# Altium PCB PCB1.PcbDoc (continued)
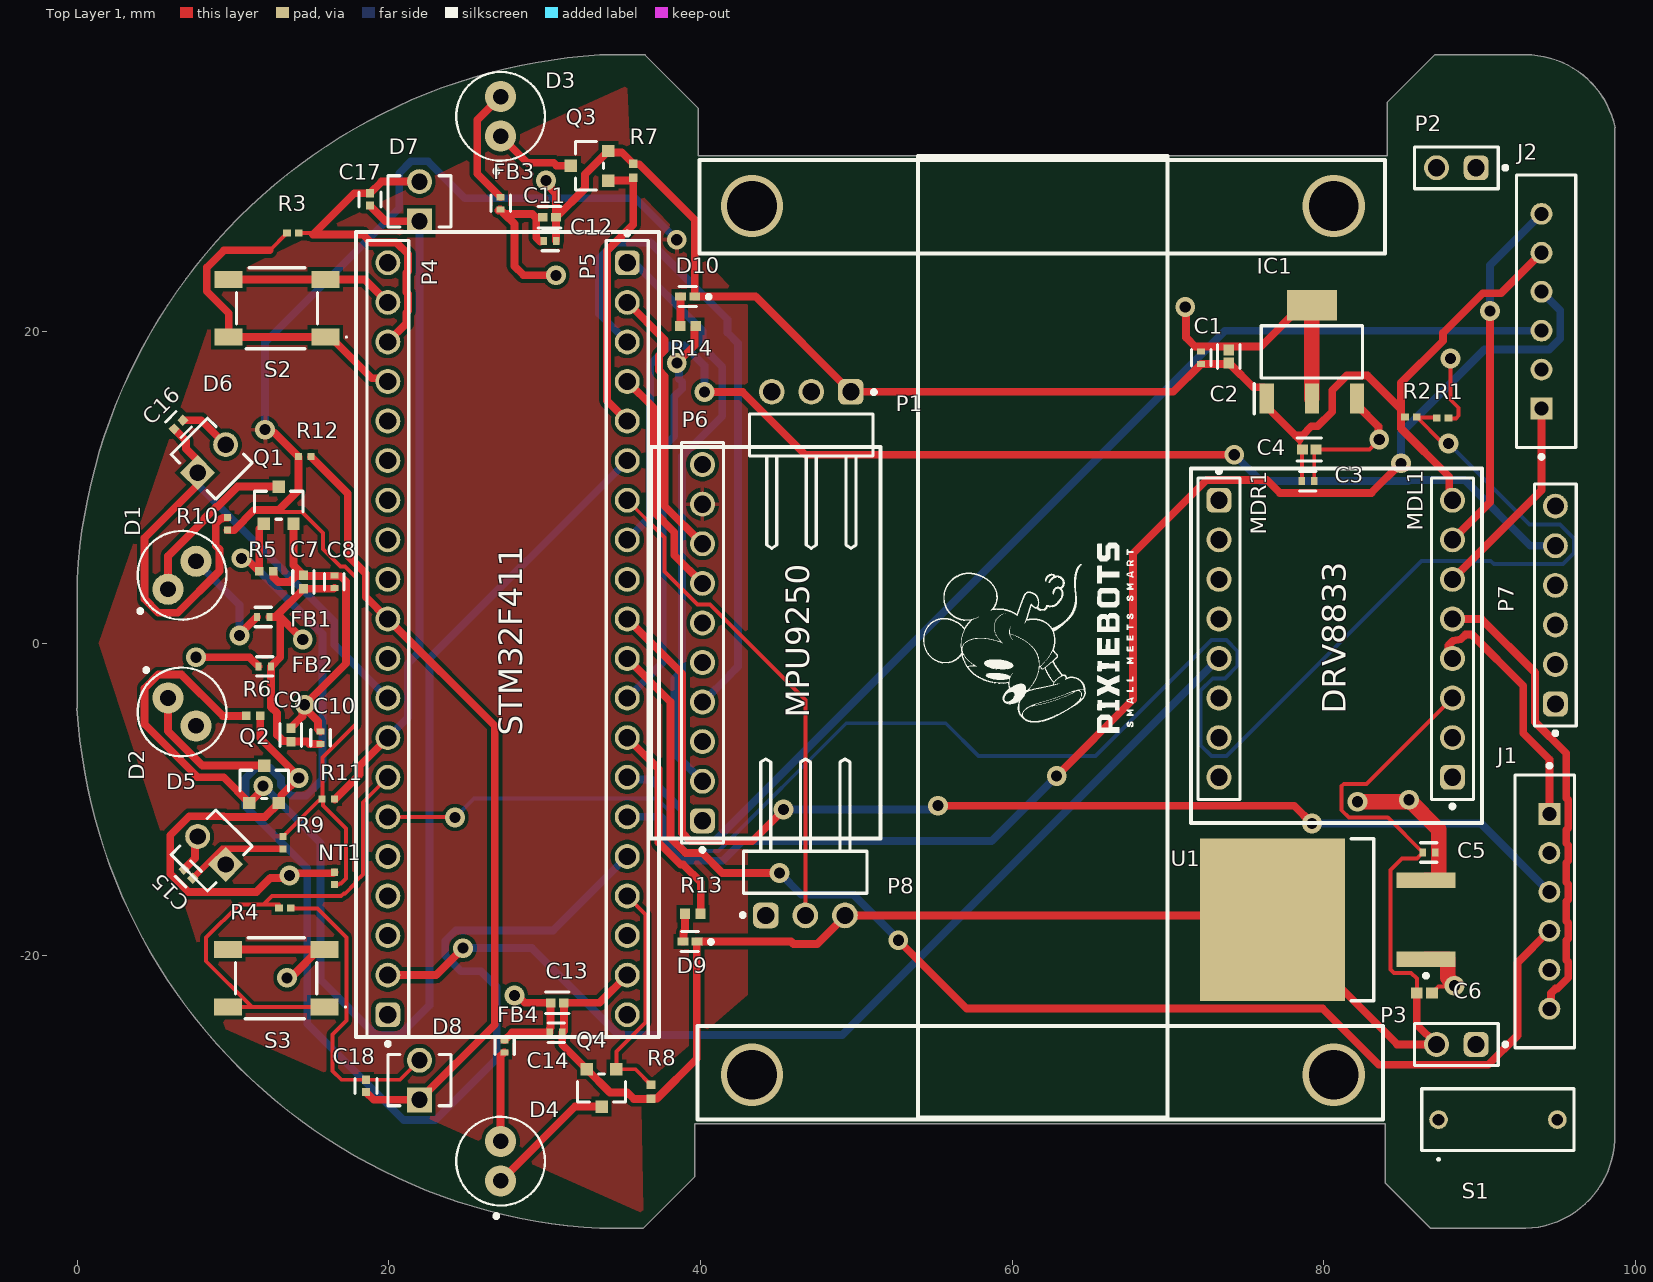
[diagram p0: Top Layer 1 view]
## Footprints (in the part's own frame and the unit in brackets; to place one, negate y for a bottom-side part, rotate by r counter-clockwise, add the part's x,y. Pads: shape width x height; smd on the part's side, far side on the other; paste and mask are expansions set on the pad)
2061S [mm]
  round 1.2 hole 0.75: 1(0,0) 2(0,-7.62)
  silkscreen extent -2.6,-8.7 1.98,1.08, body extent -1.98,-8.7 1.98,1.08, height 8.99
61300211121 [mm] "Pin Header, pitch 2.54 mm, THT, Vertical, single row, 2p"
  rrect50% 1.6x1.6 hole 1.1: 1(-1.27,0)
  round 1.6 hole 1.1: 2(1.27,0)
  silkscreen extent -3.26,-1.34 2.69,1.34, body extent -2.54,-1.27 2.54,1.27, height 8.57
61300311021 [mm] "Pin Header, pitch 2.54 mm, THT, Angled, single row, 3p"
  rrect50% 1.65x1.65 hole 1.1: 1(2.54,2.77)
  round 1.65 hole 1.1: 2(0,2.77) 3(-2.54,2.77)
  silkscreen extent -3.96,-7.27 4.15,2.87, body extent -3.81,-7.27 3.81,3.09, height 2.58
61300611121 [mm] "Pin Header, pitch 2.54 mm, THT, Vertical, single row, 6p"
  rrect50% 1.6x1.6 hole 1.1: 1(-6.35,0)
  round 1.6 hole 1.1: 2(-3.81,0) 3(-1.27,0) 4(1.27,0) 5(3.81,0) 6(6.35,0)
  silkscreen extent -8.34,-1.34 7.77,1.34, body extent -7.62,-1.27 7.62,1.27, height 8.57
61300811121 [mm] "Pin Header, pitch 2.54 mm, THT, Vertical, single row, 8p"
  rrect50% 1.6x1.6 hole 1.1: 1(-8.89,0)
  round 1.6 hole 1.1: 2(-6.35,0) 3(-3.81,0) 4(-1.27,0) 5(1.27,0) 6(3.81,0) 7(6.35,0) 8(8.89,0)
  silkscreen extent -10.88,-1.34 10.31,1.34, body extent -10.16,-1.27 10.16,1.27, height 8.57
61301011121 [mm] "Pin Header, pitch 2.54 mm, THT, Vertical, single row, 10p"
  rrect50% 1.6x1.6 hole 1.1: 1(-11.43,0)
  round 1.6 hole 1.1: 2(-8.89,0) 3(-6.35,0) 4(-3.81,0) 5(-1.27,0) 6(1.27,0) 7(3.81,0) 8(6.35,0) 9(8.89,0) 10(11.43,0)
  silkscreen extent -13.42,-1.34 12.85,1.34, body extent -12.7,-1.27 12.7,1.27, height 8.57
61302011121 [mm] "Pin Header, pitch 2.54 mm, THT, Vertical, single row, 20p"
  rrect50% 1.6x1.6 hole 1.1: 1(-24.13,0)
  round 1.6 hole 1.1: 2(-21.59,0) 3(-19.05,0) 4(-16.51,0) 5(-13.97,0) 6(-11.43,0) 7(-8.89,0) 8(-6.35,0) 9(-3.81,0) 10(-1.27,0) 11(1.27,0) 12(3.81,0) 13(6.35,0) 14(8.89,0) 15(11.43,0) 16(13.97,0) 17(16.51,0) 18(19.05,0) 19(21.59,0) 20(24.13,0)
  silkscreen extent -26.12,-1.34 25.55,1.34, body extent -25.4,-1.27 25.4,1.27, height 8.57
CAPC1005X55X25ML05T10 [mm] "Chip Capacitor, 2-Leads, Body 1.00x0.50mm, IPC Low Density"
  rect 0.76x0.72 smd: 1(-0.49,0) 2(0.49,0)
  body extent -0.53,-0.28 0.53,0.27, height 0.55
COM08720 [mm]
  rect 1.8x1.1 smd: 1(-3.1,1.85) 2(3.1,1.85) 3(-3.1,-1.85) 4(3.1,-1.85)
  silkscreen extent -4.5,-2.6 2.6,2.6, body extent -3.2,-2.6 3.2,2.6, height 1.6
FP-6_544-5269_01-4-MFG [mm]
  rect 1.6x1.6 hole 1.05 paste-2539.97 mask+0: 1(-1.27,0)
  round 1.6 hole 1.05 paste-2539.97 mask+0: 2(1.27,0)
  silkscreen extent -1.65,-2.03 1.65,2.03, body extent -2.17,-2.12 2.17,2.12, height 0.25
FP-APHHS1005CGCK-MFG [mm]
  rect 0.7x0.5 smd paste+0 mask+0: 1(-0.45,0) 2(0.45,0)
  silkscreen extent -1.48,-0.63 0.55,0.65, body extent -0.9,-0.4 0.9,0.4, height 0.25
FP-B6B-EH-A_LF_SN-MFG [mm]
  rect 1.4x1.4 hole 0.9 paste-2539.97 mask+0: 1(-6.25,0.3)
  round 1.4 hole 0.9 paste-2539.97 mask+0: 2(-3.75,0.3) 3(-1.25,0.3) 4(1.25,0.3) 5(3.75,0.3) 6(6.25,0.3)
  silkscreen extent -9.47,-1.9 8.75,1.9, body extent -8.85,-2 8.85,2, height 0.25
FP-BLM15-0_05-MFG [mm]
  rect 0.4x0.5 smd paste+0 mask+0: 1(-0.4,0) 2(0.4,0)
  silkscreen extent -0.53,-0.62 0.53,0.62, body extent -0.7,-0.38 0.7,0.38, height 0.25
FP-C0402C225M9PACTU-MFG [mm]
  rect 0.52x0.52 smd paste+0 mask+0: 1(-0.4,0) 2(0.4,0)
  silkscreen extent -0.48,-0.7 0.48,0.7, body extent -0.8,-0.4 0.8,0.4, height 0.25
FP-GRM15-MFG [mm]
  rect 0.4x0.5 smd paste+0 mask+0: 1(-0.4,0) 2(0.4,0)
  silkscreen extent -0.53,-0.62 0.53,0.62, body extent -0.7,-0.38 0.7,0.38, height 0.25
FP-GRM155-0_1-IPC_B [mm]
  rect 0.615x0.572 smd paste+0 mask+0: 1(-0.429,0) 2(0.429,0)
  silkscreen extent -0.74,-0.69 0.74,0.69, body extent -0.89,-0.44 0.89,0.44, height 0.25
FP-GRM155-0_15-IPC_B [mm]
  rect 0.704x0.658 smd paste+0 mask+0: 1(-0.427,0) 2(0.427,0)
  silkscreen extent -0.78,-0.73 0.78,0.73, body extent -0.93,-0.48 0.93,0.48, height 0.25
FP-SFH_4556-MFG [mm]
  round 2 hole 1 paste-2539.97 mask+0: 1(-1.27,0) 2(1.27,0)
  silkscreen extent -3.65,-2.85 2.85,2.85, body extent -2.95,-2.95 2.95,2.95, height 0.25
FP-SOT23-MFG [mm]
  rect 0.8x0.8 smd paste+0 mask+0: 1(-1.2,0.95) 2(-1.2,-0.95) 3(1.2,0)
  silkscreen extent -0.9,-1.55 0.9,1.55, body extent -1.7,-1.78 1.7,1.78, height 0.25
RESC1005X40X25LL05T05 [mm] "Chip Resistor, 2-Leads, Body 1.00x0.50mm, IPC High Density"
  rect 0.45x0.45 smd: 1(-0.4,0) 2(0.4,0)
  body extent -0.53,-0.27 0.53,0.28, height 0.4
RESC1005X40X25LL05T10 [mm] "Chip Resistor, 2-Leads, Body 1.00x0.50mm, IPC High Density"
  rect 0.5x0.45 smd: 1(-0.375,0) 2(0.375,0)
  body extent -0.53,-0.27 0.53,0.28, height 0.4
RESC1005X40X25ML05T05 [mm] "Chip Resistor, 2-Leads, Body 1.00x0.50mm, IPC Low Density"
  rect 0.65x0.65 smd: 1(-0.5,0) 2(0.5,0)
  body extent -0.53,-0.27 0.53,0.28, height 0.4
RESC1005X40X25NL05T05 [mm] "Chip Resistor, 2-Leads, Body 1.00x0.50mm, IPC Medium Density"
  rect 0.55x0.55 smd: 1(-0.45,0) 2(0.45,0)
  body extent -0.53,-0.27 0.53,0.28, height 0.4
SOT290P700X180-4N [mm]
  rect 1.95x0.9 smd: 1(-3,2.9) 2(-3,0) 3(-3,-2.9)
  rect 1.95x3.2 smd: 4(3,0)
  silkscreen extent -3.97,-3.25 1.67,3.7, body extent -3.5,-3.25 3.5,3.25, height 1.8
TO-263_N [mm] "D2-PAK, 4-Leads, Body 9.2x10.2mm, Pitch 2.54mm, Lead Span 15.4mm, IPC Medium Density"
  rect 3.8x1 smd: 1(-6.3,2.54) 3(-6.3,-2.54)
  rect 9.3x10.4 smd: 4(3.55,0)
  silkscreen extent -6.43,-5.2 -1.5,5.2, body extent -2.95,-5.2 6.4,5.2, height 4.6

## Part data
C1 C3 C5 C8 C10 C12 C14: library part CMP-2100-03641-2, "CAP CER 0.1UF 16V X7R 0402", Capacitance=0.10μF, Manufacturer=Murata, Manufacturer Part Number=GRM155R71C104KA88D, Package=GRM15, Temperature="-55°C to +125°C", Temperature Characteristic=X7R, Temperature Range High=+125°C, Temperature Range Low=-55°C, Tolerance=10%, Voltage Rating=16Vdc, Category=Cap, ComponentLink2Description=Datasheet, ComponentLink2URL=https://search.murata.co.jp/Ceramy/image/img/A01X/G101/ENG/GRM155R71H471KA01-01A.pdf, Device Class L1="Passive Components", Device Class L2=Capacitors, Device Class L3="Ceramic Capacitors", Digikey Description="CAP CER 0.1UF 16V X7R 0402", Height=0.55mm, Ipc Land Pattern Name=CAPC10050X219, Lead Free=yes, Material=Ceramic, Mouser Description="0402 0.1 uF 16V ±10 % Tolerance X7R SMT Multilayer Ceramic Capacitor", Octopart=https://octopart.com/grm155r71c104ka88d-murata-196880, RoHS=TRUE, Standoff Height=0mm
C2 C4: library part CMP-06035-012416-1, "Chip Multilayer Ceramic Capacitors for General Purpose, 0402, 10uF, X5R, 15%, 20%, 6.3V", Case Code (Imperial)=0402, Case Code (Metric)=1005, Dielectric=X5R, Max Operating Temperature=85°C, Min Operating Temperature=-55°C, Tolerance=20%, Voltage Rating=6.3V, Capacitance=10uF, Case/Package=0402, Length=0.039inch, Mount="Surface Mount", Packaging="Tape and Reel", Thickness=0.026inch, Voltage Rating (DC)=6.3V, Width=0.02inch
C6: library part CMP-2008-03929-1, Manufacturer=Murata, Part Number=GRM155R61A334KE15D
C7 C9 C11 C13: library part CMP-2008-04549-2, "Chip Multilayer Ceramic Capacitors for General Purpose, 0402, 4.7uF, X5R, 15%, 20%, 6.3V", Case Code (Imperial)=0402, Case Code (Metric)=1005, Dielectric=X5R, Max Operating Temperature=85°C, Min Operating Temperature=-55°C, Package Quantity=10000, Tolerance=20%, Voltage=6.3V, Capacitance=4.7uF, Case/Package=0402, Contact Plating=Tin, Depth=0.5mm, Height=0.5mm, Lead Free="Lead Free", Length=1mm, Mount="Surface Mount", Packaging="Tape and Reel", REACH SVHC="No SVHC", Termination=SMD/SMT, Thickness=0.022inch, Voltage Rating=6.3V, Voltage Rating (DC)=6.3V, Weight=0.000212oz, Width=0.02inch
C15 C16 C17 C18: library part CMP-2008-02064-3, "CAP CER 2.2UF 6.3V X5R 0402", Case Code (Imperial)=0402, Case Code (Metric)=1005, Dielectric=X5R, Dielectric Material=Ceramic, Max Operating Temperature=85°C, Min Operating Temperature=-55°C, Package Quantity=1, Tolerance=20%, Voltage=6.3V, Capacitance=2.2uF, Case/Package=0402, Construction=Flat, Contact Plating=Tin, Depth=0.5mm, Dissipation Factor=5%, Height=0.5mm, Lead Free="Lead Free", Length=1mm, Mount="Surface Mount", Number of Pins=2, Packaging="Tape and Reel", Radiation Hardening=No, REACH SVHC="No SVHC", RoHS Compliant=Yes, Series=C, Termination=SMD/SMT, Thickness=0.022inch, Voltage Rating=6.3V, Voltage Rating (DC)=6.3V, Width=0.5mm
D1 D2 D3 D4: library part CMP-62016-000017-1, "EMITTER IR 860NM 100MA RADIAL", Colour=Infrared, Forward Current=100mA, Forward Voltage=1.5V, Manufacturer="Osram Opto", Manufacturer Part Number="SFH 4556", Reverse Voltage=12V, Temperature="-40°C to +100°C", Temperature Range High=+100°C, Temperature Range Low=-40°C, Automotive=No, Category=Diode, ComponentLink2Description=Datasheet, ComponentLink2URL=https://dammedia.osram.info/media/resource/hires/osram-dam-2496340/SFH%204556.pdf, Device Class L1=Optoelectronics, Device Class L2=LEDs, Device Class L3=unset, Digikey Description="EMITTER IR 860NM 100MA RADIAL", Lead Free=Yes, Led Orientation=Straight, Mouser Description="SFH 4556 Osram Opto, 860nm IR LED, 5mm (T-1 3/4) Through Hole package", Octopart=https://octopart.com/sfh+4556-osram+opto-31094094, Package="SFH 4556", Peak Emmision Wavelength=860nm, RoHS=TRUE, Viewing Angle=40°
D5 D6 D7 D8: library part CMP-00030-39729854-1, "TEFT4300 PHOTOTRANSISTOR 3.0MM WIDE VIEW / Phototransistor IR Chip Silicon 925nm 2-Pin T-1", Case/Package=T, Collector Emitter Breakdown Voltage=70V, Collector Emitter Saturation Voltage=300mV, Dark Current=200nA, Max Collector Current=50mA, Max Operating Temperature=100°C, Max Power Dissipation=100mW, Min Operating Temperature=-40°C, Collector Emitter Voltage (VCEO)=70V, Fall Time=2.3µs, Height=4.5mm, Lead Free="Lead Free", Length=3.2mm, Lens Style=Domed, Mount="Through Hole", NexarPartId=39729854, Number of Channels=1, Number of Elements=1, Number of Pins=2, Orientation="Top View", Polarity=NPN, Power Consumption=100mW, Power Dissipation=100mW, Radiation Hardening=No, REACH SVHC=Unknown, Rise Time=2µs, RoHS=Compliant, Schedule B="8541407080, 8541407080", Viewing Angle=30°, Wavelength=925nm, Width=3.9mm
D9 D10: library part CMP-44529-000044-1, "LED GREEN CLEAR CHIP SMD", Case Code (Imperial)=0402, Case Code (Metric)=1005, Color=Green, Forward Current=20mA, Forward Voltage=2.1V, Lens Color=Clear, Max Operating Temperature=85°C, Min Operating Temperature=-40°C, Package Quantity=2000, Case/Package=0402, Dominant Wavelength=570nm, Height=0.6mm, Illumination Color=Green, Lead Free="Lead Free", Length=1mm, Lens Style=Clear, Luminous Intensity=50mcd, Mount="Surface Mount", Number of LEDs=1, Number of Pins=2, Packaging="Tape and Reel", Test Current=20mA, Viewing Angle=120°, Wavelength=570nm, Width=0.5mm
FB1 FB2 FB3 FB4: library part CMP-0686-00305-4, "Chip Ferrite Bead, 0402, 10Ω @ 100MHz, 0.1Ω, 25%, 300mA", Case Code (Imperial)=0402, Case Code (Metric)=1005, Current Rating=300mA, DC Resistance (DCR)=100mR, Max Operating Temperature=125°C, Min Operating Temperature=-55°C, Package Quantity=1, Resistor Type="Ferrite Bead", Test Frequency=100MHz, Tolerance=25%, Case/Package=0402, Core Material=Ferrite, DC Resistance-Max=100mR, Depth=0.5mm, Height=0.5mm, Impedance=10R, Lead Free="Lead Free", Length=1mm, Material=Ferrite, Max Current Rating=300mA, Max DC Current=300mA, Number of Circuits=1, Number of Lines=1, Number of Pins=2, Packaging="Tape and Reel", REACH SVHC="No SVHC", Resistance=100mR, Series=BLM15B, Shielding=Unshielded, Termination=SMD/SMT, Width=0.5mm
IC1: "Integrated Circuit", Manufacturer_Name=Shikues, Datasheet Link=https://datasheet.lcsc.com/szlcsc/SK-AMS1117-5-0_C165483.pdf, Height=1.8mm, Manufacturer_Part_Number=AMS1117-5.0
J1 J2: library part CMP-17439-000293-1, "CONN HEADER VERT 6POS 2.5MM", Color=Natural, Current Rating=3A, Flammability Rating="UL94 V-0", Housing Color=White, Voltage Rating=250V, Connector Type=Header, Contact Finish - Mating=TIN, Contact Material=Brass, Contact Mating Length=0.13inch, Contact Plating=Tin, Contact Shape=Square, Contact Type="Male Pin", Fastening Type=Friction, Gender=Male, Insulation Color=Natural, Insulation Material=Nylon, Lead Free="Lead Free", Mated Stacking Heights=8.1mm, Mount="Through Hole", Number of Contacts=6, Number of Positions=6, Number of Rows=1, Orientation=Straight, Packaging=Bulk, Pitch=2.5mm, Series=EH, Termination=Solder
MDL1 MDR1: library part CMP-1502-01076-3, Color=Black, Contact Resistance=20mΩ, Current Rating=3A, Max Operating Temperature=105°C, Min Operating Temperature=-40°C, Operating Supply Voltage=250V, Connector Type="Male Pin", Contact Material=Copper, Contact Mating Length=5.9944mm, Contact Plating=Gold, Gender=Male, Height=8.54mm, Lead Pitch=2.54mm, Mount="Through Hole", NexarPartId=32855533, Number of Contacts=8, Number of Pins=8, Number of Positions=8, Number of Rows=1, Orientation=Vertical, Packaging=Bulk, Pitch=2.54mm, REACH SVHC=Unknown, RoHS=Compliant, Termination=Solder, Voltage Rating=250V
NT1 R9 R10 R11 R12: library part CMP-2002-01128-1, Manufacturer=Panasonic, Part Number=ERJ2RKF1801X
P1 P8: library part CMP-1502-01061-3, Color=Black, Contact Resistance=20mΩ, Current Rating=3A, Operating Supply Voltage=250V, Connector Type="Male Pin", Contact Material=Copper, Contact Mating Length=5.9944mm, Contact Plating=Gold, Gender=Male, Lead Pitch=2.54mm, Mount="Through Hole", NexarPartId=32855520, Number of Contacts=3, Number of Pins=3, Number of Positions=3, Number of Rows=1, Packaging=Bulk, Pitch=2.54mm, REACH SVHC=Unknown, RoHS=Compliant, Termination=Solder
P2 P3: library part CMP-1712-00002-6, Color=Black, Contact Resistance=20mΩ, Current Rating=3A, Max Operating Temperature=125°C, Min Operating Temperature=-40°C, Operating Supply Voltage=250V, Connector Type="Male Pin", Contact Gender=Male, Contact Material=Copper, Contact Mating Length=5.9944mm, Contact Plating=Gold, Gender=Male, Height=8.94mm, Housing Material=PBT, Lead Free="Lead Free", Lead Pitch=2.54mm, Mount="Through Hole", NexarPartId=20081794, Number of Contacts=2, Number of Pins=2, Number of Positions=2, Number of Rows=1, Orientation=Vertical, Packaging=Bulk, Pitch=2.54mm, REACH SVHC="No SVHC", RoHS=Compliant, Termination="Through Hole", Voltage Rating=250V
P4 P5: library part CMP-1502-01102-3, Color=Black, Contact Resistance=20mΩ, Current Rating=3A, Operating Supply Voltage=250V, Connector Type="Male Pin", Contact Material=Copper, Contact Mating Length=5.9944mm, Contact Plating=Gold, Gender=Male, Lead Pitch=2.54mm, Mount="Through Hole", NexarPartId=32855554, Number of Contacts=20, Number of Pins=20, Number of Positions=20, Number of Rows=1, Orientation=Vertical, Packaging=Bulk, Pitch=2.54mm, REACH SVHC=Unknown, RoHS=Compliant, Termination=Solder
P6: library part CMP-1502-01082-5, Color=Black, Contact Resistance=20mΩ, Current Rating=3A, Flammability Rating="UL94 V-0", Insulation Resistance=1GΩ, Max Operating Temperature=105°C, Min Operating Temperature=-40°C, Operating Supply Voltage=250V, Connector Type="Male Pin", Contact Gender=Male, Contact Material=Copper, Contact Mating Length=5.9944mm, Contact Plating=Gold, Gender=Male, Height=8.74mm, Housing Material=PBT, Lead Pitch=2.54mm, Length=2.54mm, Mount="Through Hole", NexarPartId=18818159, Number of Contacts=10, Number of Pins=10, Number of Positions=10, Number of Rows=1, Orientation=Vertical, Packaging=Bulk, Pitch=2.54mm, REACH SVHC=Unknown, RoHS=Compliant, Termination=Solder, Voltage Rating=250V, Width=25.4mm
P7: library part CMP-1502-01070-3, Color=Black, Contact Resistance=20mΩ, Current Rating=3A, Max Operating Temperature=105°C, Min Operating Temperature=-40°C, Operating Supply Voltage=250V, Connector Type="Male Pin", Contact Gender=Male, Contact Material=Copper, Contact Mating Length=5.9944mm, Contact Plating=Gold, Gender=Male, Height=8.89mm, Housing Material=PBT, Lead Free="Lead Free", Lead Pitch=2.54mm, Mount="Through Hole", NexarPartId=20084590, Number of Contacts=6, Number of Pins=6, Number of Positions=6, Number of Rows=1, Orientation=Vertical, Packaging=Bulk, Pitch=2.54mm, REACH SVHC=Unknown, RoHS=Compliant, Termination="Through Hole", Voltage Rating=250V
Q1 Q2 Q3 Q4: library part CMP-83955-000006-1, "MOSFET N-CH 30V 5.7A SOT23", Case/Package=SOT-23, Continuous Drain Current (ID)=5.7A, Drain to Source Voltage (Vdss)=30V, Gate to Source Voltage (Vgs)=12V, Input Capacitance=630pF, Max Operating Temperature=150°C, Max Power Dissipation=1.4W, Min Operating Temperature=-55°C, Lead Free="Lead Free", Mount="Surface Mount", Number of Elements=1, Number of Pins=3, Packaging="Tape and Reel", Power Dissipation=1.4W, Radiation Hardening=No, Rds On Max=26.5mR
R1: library part CMP-1011-00650-2, Manufacturer="Yageo / Phycomp", Part Number=RC0402FR-0718KL
R2 R3 R4: library part CMP-2002-07353-1, Manufacturer="Yageo / Phycomp", Part Number=RC0402FR-0710KL
R5 R6 R7 R8: library part CMP-2002-00002-1, Manufacturer="Vishay Dale", Part Number=CRCW040243K0FKED
R13 R14: library part CMP-2002-08427-1, Manufacturer="Vishay Dale", Part Number=CRCW0402270RFKED
S1: "Switch", Manufacturer_Name=CTS, Datasheet Link=https://www.ctscorp.com/wp-content/uploads/206.pdf, Height=8.89mm, Manufacturer_Part_Number=206-1S
S2 S3: library part COM-08720, "Switch", Manufacturer_Name=SparkFun, Mouser Part Number=474-COM-08720, Arrow Part Number=COM-08720, Arrow Price/Stock=https://www.arrow.com/en/products/com-08720/sparkfun-electronics?region=nac, Datasheet Link=https://eu.mouser.com/datasheet/2/813/SMD_Button-2527098.pdf, Height=1.8mm, Manufacturer_Part_Number=COM-08720, Mouser Price/Stock=https://www.mouser.co.uk/ProductDetail/SparkFun/COM-08720?qs=WyAARYrbSnaaMDwitZjU3A%3D%3D
U1: library part CMP-0244-00215-1, "Positive Voltage Regulator, 3-Pin D2PAK, Tape and Reel", ComponentLink1Description="Manufacturer URL", ComponentLink1URL=http://www.st.com, ComponentLink2Description=Datasheet, ComponentLink2URL=http://www.st.com/internet/com/TECHNICAL_RESOURCES/TECHNICAL_LITERATURE/DATASHEET/CD00000444.pdf, DatasheetVersion=16/11/2011, PackageDescription="3-Pin Transistor Outline Package 2.54 mm Pitch, 15.4 mm Lead Span (D2PAK)", PackageReference=TO-263, PackageVersion=2011

## Via types
v1: diameter 1.27, hole 0.711, Top Layer 1 to Bottom Layer 1, 34 vias
v2: diameter 4, hole 3.2, Top Layer 1 to Bottom Layer 1, 4 vias

## Nets (pads, with @x,y where several pads share a name; then routed paths per layer and width w, separated by ;. In a path a pad name is that pad's centre, name@x,y a point inside that pad or via, vN(x,y) a via of type N, cw(c..) or ccw(c..) an arc to the next point about the centre after c; other vN are vias at no path point)
3V3: C15.1 C16.1 C17.1 C18.1 D5.2 D6.2 D7.2 D8.2 J1.2 J2.2 P1.2 P4.18 P5.20 P6.10 P7.2 P8.1 R3.2 R4.2 | length 289.3
  Top Layer 1 w0.25: R4.2@13.82,-16.958 13.91,-16.958 13.97,-17.018 15.416,-17.018 17.279,-18.881 17.279,-24.21 16.383,-25.106 16.383,-27.432 16.954,-28.003 C18.1 20.72,-28.003 D8.2 ; R3.2 15.058,26.334
  Top Layer 1 w0.5: C16.1 7.961,14.327 D6.2 ; C15.1 7.565,-13.795 7.565,-12.565 D5.2 ; P4.18 21.118,20.528 21.118,21.224 21.243,21.349 21.243,22.429 21.118,22.554 21.118,23.764 21.243,23.889 21.243,24.969 20.479,25.733 18.844,25.733 18.327,26.25 15.143,26.25 17.786,28.893 C17.1 19.539,29.636 D7.2
  Top Layer w0.5: D7.2 9.534,17.199 D6.2 9.534,6.065 9.402,5.933 9.402,4.989 9.275,4.862 9.275,-5.779 7.738,-7.316 D5.2 7.738,-16.628 12.323,-21.213 12.323,-21.935 12.99,-22.602 13.712,-22.602 17.862,-26.752 D8.2 32.385,-26.752 P5.20 41.68,-17.457 42.515,-17.457 ; P8.1 42.515,-17.457 ; J1.2 96.173,-11.765 96.173,-2.656 P7.2 96.173,-0.048 96.173,15.378 J2.2 95.184,18.775 95.184,28.07 90.171,33.083 86.189,33.083 83.149,30.043 83.149,27.03 76.57,20.451 51.418,20.451 P1.2 45.788,17.479 44.027,17.479 40.132,13.585 P6.10 42.037,9.57 42.037,-16.979 42.515,-17.457
5V: C1.2 C2.1 C7.1 C8.2 C9.1 C10.2 C11.1 C12.2 C13.1 C14.2 FB1.2 FB2.2 FB3.2 FB4.2 IC1.2 IC1.4 | length 176.4
  Top Layer 1 w0.5: FB1.2 12.716,1.696 12.876,1.856 14.469,3.448 14.49,3.448 14.526,3.485 C7.1 16.46,3.506 C8.2 ; v1(14.478,0.254) 13.036,1.696 13.036,-0.889 FB2.2 12.446,-4.084 12.834,-4.471 12.834,-5.872 13.221,-6.259 13.68,-6.259 13.716,-6.296 C9.1 14.752,-6.305 14.898,-6.451 C10.2 ; FB3.2 27.1,27.839 27.05,27.79 27.201,27.79 27.432,27.559 ; FB4.2 27.915,-24.98 C14.2 30.334,-24.713 30.385,-24.663 C13.1 28.738,-23.069 28.275,-22.606 v1(28.067,-22.606) ; 29.718,25.781 29.464,26.035 29.464,27.305 29.21,27.559 27.432,27.559 ; v1(30.734,23.622) 28.653,23.622 28.067,24.208 28.067,26.924 27.432,27.559 ; v1(71.12,21.59) 71.172,21.538 71.172,19.63 71.752,19.05 75.959,19.05 78.623,21.714 IC1.4
  Top Layer 1 w1: IC1.2 IC1.4
  Top Layer w0.5: v1(28.067,-22.606) 26.543,-24.13 25.781,-24.13 24.776,-25.135 19.165,-25.135 16.895,-22.865 16.895,-2.163 v1(14.478,0.254) 14.478,20.812 19.399,25.733 23.907,25.733 26.018,23.622 v1(30.734,23.622) 30.734,23.695 32.2,25.161 32.2,26.485 33.528,27.813 39.666,27.813 42.166,25.313 67.397,25.313 v1(71.12,21.59)
6V: C5.2 MDL1.1 P1.3 U1.3 | length 70
  Top Layer 1 w1: v1(82.167,-10.16) 85.271,-10.16 85.398,-10.033 v1(85.471,-10.033) 87.376,-11.938 87.376,-15.195 U1.3
  Top Layer w1: P1.3 44.577,2.413 57.15,-10.16 v1(82.167,-10.16) ; v1(85.471,-10.033) 86.823,-10.033 MDL1.1
7V4: C3.2 C4.1 C6.2 IC1.3 S1.2 U1.1 | length 73.9
  Top Layer 1 w0.25: C3.2 79.394,12.338 C4.1 82.931,12.446 v1(83.566,13.081) v1@83.514,13.133 ; IC1.3 82.148,15.727 82.169,15.748 IC1.3@82.169,15.268 ; C6.2 87.37,-22.023 v1@88.34,-22.023
  Top Layer 1 w0.5: IC1.3@82.169,15.268 83.514,13.923 v1@83.514,13.133
  Top Layer 1 w1: U1.1 87.964,-20.275 87.964,-21.47 88.392,-21.898 v1(88.392,-21.971) v1@88.34,-22.023
  Top Layer w1: v1(83.566,13.081) 83.566,-21.801 86.276,-24.511 ; v1(88.392,-21.971) 88.34,-22.023 88.34,-23.088 87.679,-23.749 87.038,-23.749 86.276,-24.511 ; S1.2 91.556,-30.562 90.201,-31.916 86.815,-31.916 85.695,-30.796 85.695,-25.092 86.276,-24.511
A0: P4.6 R1.1 R2.2 | length 117.8
  Top Layer 1 w0.25: P4.6 19.962,-11.153 24.234,-11.153 v1(24.257,-11.176) ; R1.1@87.261,14.501 85.996,14.501 R2.2 87.669,12.827 v1(88.011,12.827)
  Bottom Layer 1 w0.25: v1(24.257,-11.176) 25.481,-9.952 37.187,-9.952 38.199,-10.964 38.199,-12.42 39.097,-13.318 41.167,-13.318 49.359,-5.126 55.745,-5.126 57.848,-7.23 65.353,-7.23 72.791,0.208 73.767,0.208 74.458,-0.482 74.458,-1.459 73.676,-2.241 72.882,-2.241 72.1,-3.022 72.1,-6.539 72.791,-7.23 73.767,-7.23 86.285,5.288 90.722,5.288 90.921,5.089 95.357,5.089 96.048,5.78 96.048,6.757 95.175,7.629 93.209,7.629 v1(88.011,12.827)
A1: P4.7 R4.1 S3.1 S3.2 | length 31.9
  Top Layer 1 w0.25: S3.2 11.212,-23.34 ; 12.956,-16.744 11.958,-16.744 ; R4.1 R4.1@12.96,-16.751 ; S3.1 15.847,-23.34 15.748,-23.241 15.649,-23.34 11.212,-23.34 ; P4.7 18.336,-10.194 18.336,-14.823 17.868,-15.292 17.868,-15.381 17.204,-16.045 17.115,-16.045 16.944,-16.216 15.232,-16.216 15.22,-16.204 12.498,-16.204 11.958,-16.744 ; 11.212,-23.34 8.271,-20.399 8.271,-18.881 10.408,-16.744 11.958,-16.744
A2: C17.2 D7.1 P4.8 R11.2 | length 43
  Top Layer 1 w0.5: R11.2 16.529,-10.014 18.129,-8.414 18.129,-7.861 P4.8 ; C17.2 19.793,27.096 D7.1
  Bottom Layer 1 w0.5: P4.8 21.243,-4.747 21.243,-1.267 21.971,-0.539 D7.1
A3: C16.2 D6.1 P4.9 R10.2 | length 42.8
  Top Layer 1 w0.5: C16.2 6.984,13 6.984,12.49 7.738,11.736 D6.1 7.738,10.18 4.329,6.771 4.329,2.851 5.21,1.97 6.456,1.97 9.133,4.647 9.133,6.043 8.898,6.278 8.898,7.674 9.218,7.994 9.292,7.994 9.363,8.065 R10.2
  Bottom Layer 1 w0.5: D6.1 7.738,10.18 16.498,1.42 16.498,-0.07 P4.9
A4: C15.2 D5.1 P4.10 R9.2 | length 28.6
  Top Layer 1 w0.4: C15.2 9.31,-13.182 R9.2
  Bottom Layer w0.5: 7.416,-15.075 7.404,-15.075 7.366,-15.113 8.609,-15.113 D5.1 12.736,-14.188 15,-11.924 15,-10.553 14.975,-10.528 14.975,-9.675 15,-9.65 15,-9.471 16.65,-7.821 16.65,-4.26 P4.10
A5: C18.2 D8.1 P4.11 R12.2 | length 51.8
  Top Layer 1 w0.5: R12.2 17.367,9.621 17.367,5.641 18.522,4.486 18.522,2.986 P4.11 26.797,-5.289 26.797,-24.466 D8.1 19.031,-29.292 C18.2
A6: MDR1.7 P4.12 | length 106.9
  Bottom Layer w0.5: P4.12 34.002,18.172 34.002,22.429 34.002,25.204 34.532,25.733 36.08,25.733 36.61,25.204 36.61,18.809 36.596,18.795 36.596,17.363 36.61,17.349 36.61,7.189 37.35,6.449 37.35,3.132 37.879,2.603 37.879,-12.276 39.045,-13.443 41.219,-13.443 41.589,-13.073 66.257,-13.073 MDR1.7
A7: MDR1.6 P4.13 | length 106.1
  Bottom Layer w0.5: P4.13 19.984,6.649 20.066,6.731 20.066,6.776 31.873,18.583 31.873,22.084 33.248,23.459 33.248,25.516 34.219,26.487 36.393,26.487 37.364,25.516 37.364,18.497 37.35,18.483 37.35,17.676 37.364,17.662 37.364,7.502 38.828,6.038 38.828,-11.093 38.828,-12.159 39.358,-12.689 40.906,-12.689 41.276,-12.319 64.471,-12.319 MDR1.6
A8: P5.5 Q3.1 R7.2 | length 18.5
  Top Layer 1 w0.5: Q3.1 35.51,29.702 R7.2 35.687,26.889 34.002,25.204 34.002,15.573 P5.5
A9: P5.6 Q2.1 R6.2 | length 84
  Top Layer 1 w0.5: R6.2 9.347,-4.654 6.691,-1.998 5.21,-1.998 4.329,-2.879 4.329,-5.191 7.734,-8.596 9.408,-8.596 Q2.1 11.791,-9.505 11.791,-9.291 v1(11.938,-9.144)
  Bottom Layer 1 w0.5: v1(11.938,-9.144) 15.625,-12.831 15.625,-21.595 19.165,-25.135 20.713,-25.135 22.606,-23.242 22.606,-0.971 P5.6
A10: P5.7 P8.2 | length 31.8
  Top Layer 1 w0.25: P5.7 37.695,6.8 37.695,4.625 39.826,2.494 40.62,2.494 46.736,-3.621 P8.2
A11: P5.8 P7.5 | length 76.8
  Top Layer 1 w0.5: v1(40.259,16.129) 42.719,16.129 46.738,12.11 v1(74.262,12.11)
  Bottom Layer 1 w0.5: P5.8 36.767,8.11 36.767,17.877 38.017,19.127 38.961,19.127 40.259,17.829 v1(40.259,16.129) ; v1(74.262,12.11) 75.955,10.418 85.435,10.418 85.51,10.493 89.036,10.493 93.261,6.268 P7.5
A12: P5.9 P7.4 | length 96.9
  Bottom Layer w0.5: P5.9 37.125,2.291 37.125,-12.589 43.322,-18.786 51.358,-18.786 56.317,-13.827 69.887,-13.827 78.806,-4.908 78.806,1.574 87.725,10.493 88.805,10.493 91.732,7.567 91.732,6.865 P7.4
A15: J1.3 P5.10 | length 74.3
  Top Layer 1 w0.5: P5.10 38.828,-1.953 38.828,-12.159 39.358,-12.689 43.318,-12.689 v1(45.339,-10.668) ; v1(55.245,-10.414) 78.105,-10.414 v1(79.248,-11.557)
  Bottom Layer 1 w0.5: v1(45.339,-10.668) 54.783,-10.668 55.037,-10.414 v1(55.245,-10.414) ; v1(79.248,-11.557) 90.095,-11.557 J1.3
ADO: P5.3 P6.4 | length 42.6
  Bottom Layer 1 w0.5: P5.3 33.498,21.157 33.498,24.7 34.532,25.733 36.793,25.733 41.747,20.78 41.747,19.935 42.414,19.268 42.414,-1.483 41.94,-1.957 41.94,-1.974 40.149,-3.765 P6.4
AGND: NT1.2 P6.9 R9.1 R10.1 R11.1 R12.1 | length 101.6
  Top Layer 1 w0.25: v1(12.065,13.716) 12.26,13.521 v1@12.667,13.521 ; 12.953,8.444 14.443,8.444 15.791,7.096 15.791,6.061 16.913,4.939 17.179,4.939 17.893,4.225 17.893,-5.165 15.748,-7.31 15.748,-9.906 15.729,-9.925 R11.1 ; R9.1 R11.1@15.602,-9.988 ; R11.1@15.775,-10.034 15.775,-10.397 17.264,-11.886 17.264,-15.096 16.944,-15.416 16.854,-15.416 16.783,-15.487 NT1.2
  Top Layer 1 w0.5: R10.1 10.073,7.265 11.377,8.569 12.953,8.569 14.205,9.821 R12.1 v1@12.667,13.521
  Bottom Layer w0.5: v1(38.481,25.908) 39.628,24.761 39.628,17.109 38.828,16.309 38.828,10.239 P6.9
  Bottom Layer 1 w0.5: v1(12.065,13.716) 12.065,19.326 20.667,27.928 20.667,30.176 21.431,30.94 22.511,30.94 24.876,28.575 35.814,28.575 v1(38.481,25.908)
B0: MDR1.4 P4.14 | length 73.8
  Bottom Layer w0.5: P4.14 31.119,20.369 31.119,22.396 31.873,23.15 31.873,25.207 33.907,27.241 39.525,27.241 41.957,24.809 43.024,24.809 50.354,17.479 57.369,17.479 MDR1.4
B1: MDR1.3 P4.15 | length 71.6
  Bottom Layer w0.5: P4.15 26.605,18.395 26.605,21.104 33.496,27.995 39.838,27.995 42.27,25.563 51.825,25.563 MDR1.3
B3: J1.4 P5.11 | length 81.4
  Top Layer 1 w0.5: P5.11 38.074,-3.739 38.074,-12.472 39.045,-13.443 40.112,-13.443 41.401,-14.732 v1(45.085,-14.732) ; v1(52.705,-19.05) 57.094,-23.439 79.939,-23.439 83.54,-27.04 90.563,-27.04 92.44,-25.164 92.44,-20.498 J1.4
  Bottom Layer 1 w0.5: v1(45.085,-14.732) 46.481,-16.128 49.826,-16.128 52.705,-19.006 v1(52.705,-19.05)
B4: P5.12 R14.2 | length 26
  Top Layer 1 w0.5: v1(38.489,17.988) 39.629,19.128 39.629,20.29 R14.2
  Bottom Layer 1 w0.5: P5.12 37.57,-1.247 37.57,12.536 38.322,13.289 38.322,15.843 38.832,16.353 38.832,16.768 38.636,16.964 38.636,17.841 v1(38.489,17.988)
B5: P5.13 R13.2 | length 13.4
  Top Layer 1 w0.5: P5.13 37.32,-8.065 37.32,-12.784 38.733,-14.197 38.901,-14.197 40.018,-15.314 R13.2
B6: J2.3 P5.14 | length 74.8
  Bottom Layer 1 w0.5: P5.14 35.447,-8.732 36.856,-8.732 38.828,-10.704 38.828,-12.159 39.358,-12.689 40.906,-12.689 73.666,20.071 J2.3
B7: J2.4 P5.15 | length 86.6
  Top Layer 1 w0.5: v1(62.865,-8.509) 67.758,-3.616 67.758,5.747 72.505,10.493 76.353,10.493 77.186,9.66 83.066,9.66 v1(84.963,11.557)
  Bottom Layer 1 w0.5: P5.15 37.476,-11.131 37.57,-11.225 37.57,-12.68 38.836,-13.947 41.428,-13.947 42.686,-12.689 58.685,-12.689 v1(62.865,-8.509) ; v1(84.963,11.557) 84.963,13.502 90.328,18.867 94.479,18.867 95.184,19.573 95.184,21.367 J2.4
B8: P5.16 Q1.1 R5.2 | length 85.2
  Top Layer 1 w0.5: v1(10.541,5.461) 10.688,5.314 10.988,5.314 R5.2 11.684,7.363 Q1.1
  Bottom Layer 1 w0.5: v1(10.541,5.461) 10.688,5.314 11.029,5.314 15.744,0.599 15.744,-8.727 14.696,-9.775 13.752,-9.775 13.081,-9.104 13.081,-8.676 12.41,-8.005 11.466,-8.005 10.799,-8.672 10.799,-10.458 14.771,-14.431 14.771,-24.405 20.962,-30.596 22.98,-30.596 26.928,-26.648 26.928,-22.049 25.919,-21.039 24.635,-21.039 23.626,-20.03 23.626,-19.086 24.293,-18.419 30.558,-18.419 P5.16
B9: P5.17 Q4.1 R8.2 | length 15
  Top Layer 1 w0.25: P5.17 36.485,-17.39 36.485,-24.319 34.605,-26.199 Q4.1 35.826,-27.33 R8.2
B10: P4.17 R3.1 S2.1 S2.2 | length 22.6
  Top Layer 1 w0.25: 12.359,25.226 R3.1
  Top Layer 1 w0.5: S2.2@9.652,19.685 S2.2@9.679,19.658 ; 12.359,25.226 9.432,25.226 8.323,24.117 8.323,22.599 9.727,21.195 S2.2 S2.2@9.679,19.658 ; P4.17 19.729,17.02 18.916,17.02 16.277,19.658 S2.1 S2.2@9.679,19.658
B12: P5.1 P6.2 | length 38
  Bottom Layer 1 w0.5: P5.1@35.537,24.661 40.132,20.066 40.132,19.023 41.398,17.757 41.398,14.585 38.828,12.015 38.828,-1.768 38.324,-2.272 38.324,-7.037 P6.2
B13: P5.2 P6.8 | length 17.8
  Top Layer 1 w0.5: P5.2 37.719,19.476 37.719,18.829 37.35,18.46 37.35,17.517 37.719,17.148 37.719,8.808 P6.8
B15: P5.4 P6.7 | length 15
  Top Layer 1 w0.5: P5.4 36.965,15.15 36.965,8.496 38.324,7.137 38.324,5.663 P6.7
C13: MDR1.5 P4.2 | length 66.4
  Top Layer 1 w0.5: P4.2 23.032,-21.291 v1(24.765,-19.558)
  Bottom Layer 1 w0.5: v1(24.765,-19.558) 29.189,-19.558 34.766,-25.135 49.098,-25.135 73.262,-0.971 MDR1.5
GND: C1.1 C2.2 C3.1 C4.2 C5.1 C6.1 C7.2 C8.1 C9.2 C10.1 C11.2 C12.1 C13.2 C14.1 D9.1 D10.1 IC1.1 J1.5 J2.5 MDL1.3 MDL1.8 MDR1.1 NT1.1 P1.1 P3.2 P4.19 P5.19 P7.3 P8.3 Q1.2 Q2.2 Q3.2 Q4.2 R2.1 R5.1 R6.1 R7.1 R8.1 S2.3 S2.4 S3.3 S3.4 U1.4 | length 379.6
  Top Layer 1 w0.25: MDR1.1@73.279,9.144 MDR1.1 ; C4.2@78.465,12.652 78.465,13.072 ; C3.1 78.621,10.441 78.621,12.419 C4.2 ; C6.1 85.979,-21.517 85.616,-21.154 84.507,-21.154 84.285,-20.932 84.285,-14.538 85.025,-13.798 85.979,-13.798 C5.1 84.117,-11.174 81.622,-11.174 81.153,-10.705 81.153,-9.163 81.299,-9.017 82.759,-9.017 MDL1.3
  Top Layer 1 w0.5: S3.4 S3.3@15.525,-19.64 ; S2.4 S2.3 18.453,23.358 19.922,21.889 P4.19 ; R6.1 11.753,-6.078 14.224,-8.549 v1(14.224,-8.636) 13.104,-9.756 13.104,-10.092 13.036,-10.16 12.954,-10.16 Q2.2 12.05,-11.146 9.459,-11.146 9.401,-11.088 7.198,-11.088 5.979,-12.307 5.979,-14.792 7.134,-15.947 11.509,-15.947 12.406,-15.05 13.485,-15.05 v1(13.632,-14.902) ; R5.1 12.609,4.592 12.609,4.231 12.902,3.938 13.651,3.938 14.031,4.318 16.645,4.318 16.652,4.31 16.919,4.31 17.264,3.965 17.264,-1.278 v1(14.605,-3.937) ; v1(13.462,-21.463) 13.609,-21.316 13.849,-21.316 S3.3@15.525,-19.64 ; v1@13.632,-14.687 13.703,-14.758 16.439,-14.758 NT1.1 ; C9.2 13.716,-5.426 14.458,-4.685 14.458,-4.084 v1(14.605,-3.937) ; Q1.2 13.886,5.025 14.526,4.385 C7.2 ; C10.1 15.459,-5.489 15.459,-5 14.605,-4.145 v1(14.605,-3.937) ; S3.3 S3.3@15.525,-19.64 ; v1(30.099,29.714) 30.099,29.506 30.734,28.871 C11.2 30.734,25.845 C12.1 ; C11.2@30.755,27.35 32.597,29.192 32.597,30.106 Q3.2 34.184,31.511 34.955,31.511 R7.1 35.712,30.754 36.075,30.754 39.635,27.194 D10.1 43.537,22.27 P1.1 70.353,16.15 C1.1 73.991,17.933 75.485,16.439 76.148,16.439 76.348,16.239 IC1.1 76.348,15.189 78.202,13.335 ; P5.19 33.528,-23.069 C13.2 31.242,-24.872 C14.1 31.134,-25.759 Q4.2 34.201,-28.826 35.311,-28.826 35.719,-29.234 R8.1 36.855,-29.209 37.218,-29.209 39.772,-26.655 D9.1 45.819,-19.132 45.977,-19.29 47.495,-19.29 49.276,-17.509 P8.3 76.436,-17.457 U1.4 84.715,-25.736 P3.2 85.979,-24.466 C6.1 ; 78.465,13.072 78.202,13.335 ; MDL1.8 88.055,9.4 88.055,10.697 84.963,13.789 84.963,15.037 ; J2.5 91.384,22.475 90.206,22.475 87.666,19.935 87.666,19.427 84.963,16.724 84.963,15.037 ; 78.202,13.335 78.617,13.335 79.215,13.933 79.604,13.933 80.547,14.875 80.547,16.251 81.489,17.193 82.807,17.193 84.963,15.037
  Bottom Layer w0.5: v1(13.632,-14.902) 13.547,-14.988 13.547,-21.378 v1(13.462,-21.463) 17.134,-25.135 23.927,-25.135 27.771,-21.291 P5.19 ; v1(14.224,-8.636) 14.224,-4.526 14.605,-4.145 v1(14.605,-3.937) 13.339,-2.671 13.339,15.289 P4.19 27.641,29.591 29.976,29.591 v1(30.099,29.714) ; P3.2 92.035,-20.95 J1.5 ; MDL1.3 90.17,-3.511 P7.3
MA1: J1.1 MDL1.4 | length 16.3
  Top Layer 1 w0.5: MDL1.4 88.007,-0.712 88.007,-0.133 88.3,0.16 88.805,0.265 89.112,0.572 89.526,0.572 92.811,-2.713 92.811,-5.768 94.488,-7.445 J1.1
MA2: J1.6 MDL1.5 | length 30.2
  Top Layer 1 w0.5: MDL1.5 90.125,1.569 93.565,-1.87 93.565,-5.046 95.567,-7.048 95.567,-9.916 95.692,-10.041 95.692,-11.859 95.567,-11.984 95.567,-12.826 95.692,-12.951 95.692,-13.948 95.567,-14.073 95.567,-15.326 95.692,-15.451 95.692,-16.448 95.567,-16.573 95.567,-17.826 95.692,-17.951 95.692,-18.948 95.567,-19.073 95.567,-20.326 95.692,-20.451 95.692,-21.448 94.987,-22.154 94.882,-22.154 94.589,-22.447 94.589,-23.349 J1.6
MB1: J2.1 MDL1.6 | length 13.3
  Top Layer 1 w0.5: MDL1.6 93.98,9.824 J2.1
MB2: J2.6 MDL1.7 | length 23.3
  Top Layer 1 w0.5: MDL1.7 90.678,9.062 v1(90.678,21.336)
  Bottom Layer 1 w0.5: v1(90.678,21.336) 90.678,24.269 J2.6
NetD1_1: D1.1 Q1.3 | length 11.1
  Top Layer 1 w0.5: D1.1 5.833,5.601 8.169,7.937 8.169,8.011 8.906,8.748 8.98,8.748 10.297,10.065 Q1.3
NetD1_2: D1.2 FB1.1 | length 7.6
  Top Layer 1 w0.5: v1(10.414,0.508) 10.414,0.572 FB1.1
  Bottom Layer 1 w0.5: D1.2 10.414,2.485 v1(10.414,0.508)
NetD2_1: D2.1 Q2.3 | length 9.2
  Top Layer 1 w0.5: D2.1 5.833,-5.629 8.046,-7.842 Q2.3
NetD2_2: D2.2 FB2.1 | length 8.7
  Top Layer 1 w0.5: v1(7.62,-0.889) 11.056,-0.889 FB2.1
  Top Layer w0.5: v1(7.62,-0.889) 7.625,-0.894 7.625,-5.293 D2.2
NetD3_1: D3.1 Q3.3 | length 5.3
  Top Layer 1 w0.5: D3.1 28.882,30.853 30.571,30.853 30.772,30.652 Q3.3
NetD3_2: D3.2 FB3.1 | length 7.7
  Top Layer 1 w0.5: FB3.1 25.674,30.143 25.674,33.593 D3.2
NetD4_1: D4.1 Q4.3 | length 8.5
  Top Layer 1 w0.5: D4.1 31.947,-29.73 Q4.3
NetD4_2: D4.2 FB4.1 | length 5.8
  Top Layer 1 w0.5: D4.2 27.178,-26.467 27.382,-26.263 FB4.1
NetD9_2: D9.2 R13.1 | length 1.9
  Top Layer 1 w0.5: D9.2 38.918,-19.132 38.918,-18.529 39.018,-18.429 R13.1
NetD10_2: D10.2 R14.1 | length 1.9
  Top Layer 1 w0.5: R14.1 38.719,20.381 38.719,22.27 D10.2
NetP2_2: P2.2 P3.1 | length 57.3
  Top Layer w0.381: P2.2 P2.2@87.482,30.292 ; 87.482,29.713 87.503,29.693
  Top Layer w1: 87.482,29.713 P2.2@87.482,30.292 ; 87.503,29.693 88.773,28.423 88.773,21.277 89.789,20.261 89.789,9.863 89.819,9.833 89.819,-9.469 89.789,-9.499 P3.1
VBAT: P2.1 R1.2 S1.1 | length 88.3
  Top Layer 1 w0.25: R1.2@88.011,14.507 88.075,14.443 88.484,14.443 88.655,14.614 88.655,15.122 88.138,15.638 v1(88.138,18.288)
  Top Layer w1: S1.1 88.564,-30.562 91.694,-27.432 91.694,20.388 92.067,20.761 92.067,21.911 91.694,22.284 91.694,28.62 P2.1 88.235,32.079 86.605,32.079 85.695,31.169 85.695,20.731 v1(88.138,18.288)
pads on no net: MDL1.2 MDR1.2 MDR1.8 P4.1 P4.3 P4.4 P4.5 P4.16 P4.20 P5.18 P6.1 P6.3 P6.5 P6.6 P7.1 P7.6
copper on no net:
  other v2: 43.307,-27.686 80.645,-27.686 43.307,28.067 80.645,28.067

## Polygon pours and split planes (outlines as drawn)
AGND on Top Layer 1 "AGND_L01_P001" (solid, pour order 1): 35.306,35.814 29.185,33.031 9.525,23.495 1.397,0 9.525,-24.765 36.322,-36.576 36.195,-28.448 43.053,-22.551 43.053,21.717 35.56,29.464
6V on Top Layer "6V_L02_P005" (solid, pour order 5): 84.328,12.065 91.059,12.065 91.059,-24.638 90.932,-24.765 71.374,-24.765 71.374,-11.303 84.328,-11.303
3V3 on Top Layer "3V3_L02_P003" (solid, pour order 3): 35.941,35.433 35.941,28.575 53.086,28.575 53.086,3.302 42.037,3.302 42.037,-25.146 36.703,-25.146 36.703,-35.941 25.908,-35.941 2.032,-12.065 2.032,10.541 1.651,10.922 25.273,34.544 25.273,36.195
GND on Bottom Layer "GND_L03_P006" (solid, pour order 6): 35.052,35.941 35.052,30.099 35.179,29.972 84.709,29.972 85.725,28.956 85.725,34.798 86.233,35.306 95.123,35.306 95.123,-34.671 95.377,-34.925 94.869,-35.433 86.487,-35.433 86.36,-35.306 86.36,-29.337 37.211,-29.337 36.957,-29.083 36.957,-34.29 36.703,-34.544 24.13,-34.544 2.794,-13.208 2.794,11.049 2.032,11.811 25.019,34.798 25.908,34.798
AGND on Bottom Layer 1 "AGND_L04_P007" (solid, pour order 7): 34.798,35.814 35.941,34.671 35.941,29.972 85.725,29.972 85.725,34.925 85.852,35.052 94.996,35.052 94.996,-34.544 95.25,-34.798 94.488,-35.56 86.36,-35.56 86.36,-29.845 86.106,-29.591 36.576,-29.591 36.576,-35.433 36.703,-35.56 36.576,-35.687 25.527,-35.687 25.527,-35.306 1.778,-11.557 1.778,11.557 2.159,11.557 25.654,35.052

## Silkscreen, mask and mechanical layers (free items; w line width, h text height)
Top Overlay:
  drawing of 50 lines, arcs and shapes, not listed
  text "DRV8833" at 81.407,-4.527 h1.52 r90
  text "MPU9250" at 46.99,-4.781 h1.52 r90
  text "STM32F411" at 28.575,-5.924 h1.52 r90
Bottom Overlay:
  drawing of 15 lines, arcs and shapes, not listed
Mechanical 1:
  lines w0.254: -0.01,-4.146 ccw(c35.527,-2.001) 33.538,-37.547 36.322,-37.547 39.624,-34.245 39.624,-30.816 83.947,-30.816 83.947,-34.626 86.868,-37.547 92.954,-37.547 ccw(c92.768,-31.636) 98.679,-31.451 98.679,33.095 ; -0.005,4.146 cw(c35.687,2.077) 33.528,37.764 36.449,37.764 39.878,34.335 39.878,31.287 84.074,31.287 84.074,34.716 87.122,37.764 93.345,37.764 cw(c92.964,31.922) 98.7,33.095 ; 0,-4.146 0,4.146 ; 93.091,35.859 93.091,35.986